# KiCad board GPDI_ULX3S_panel.kicad_pcb (continued)
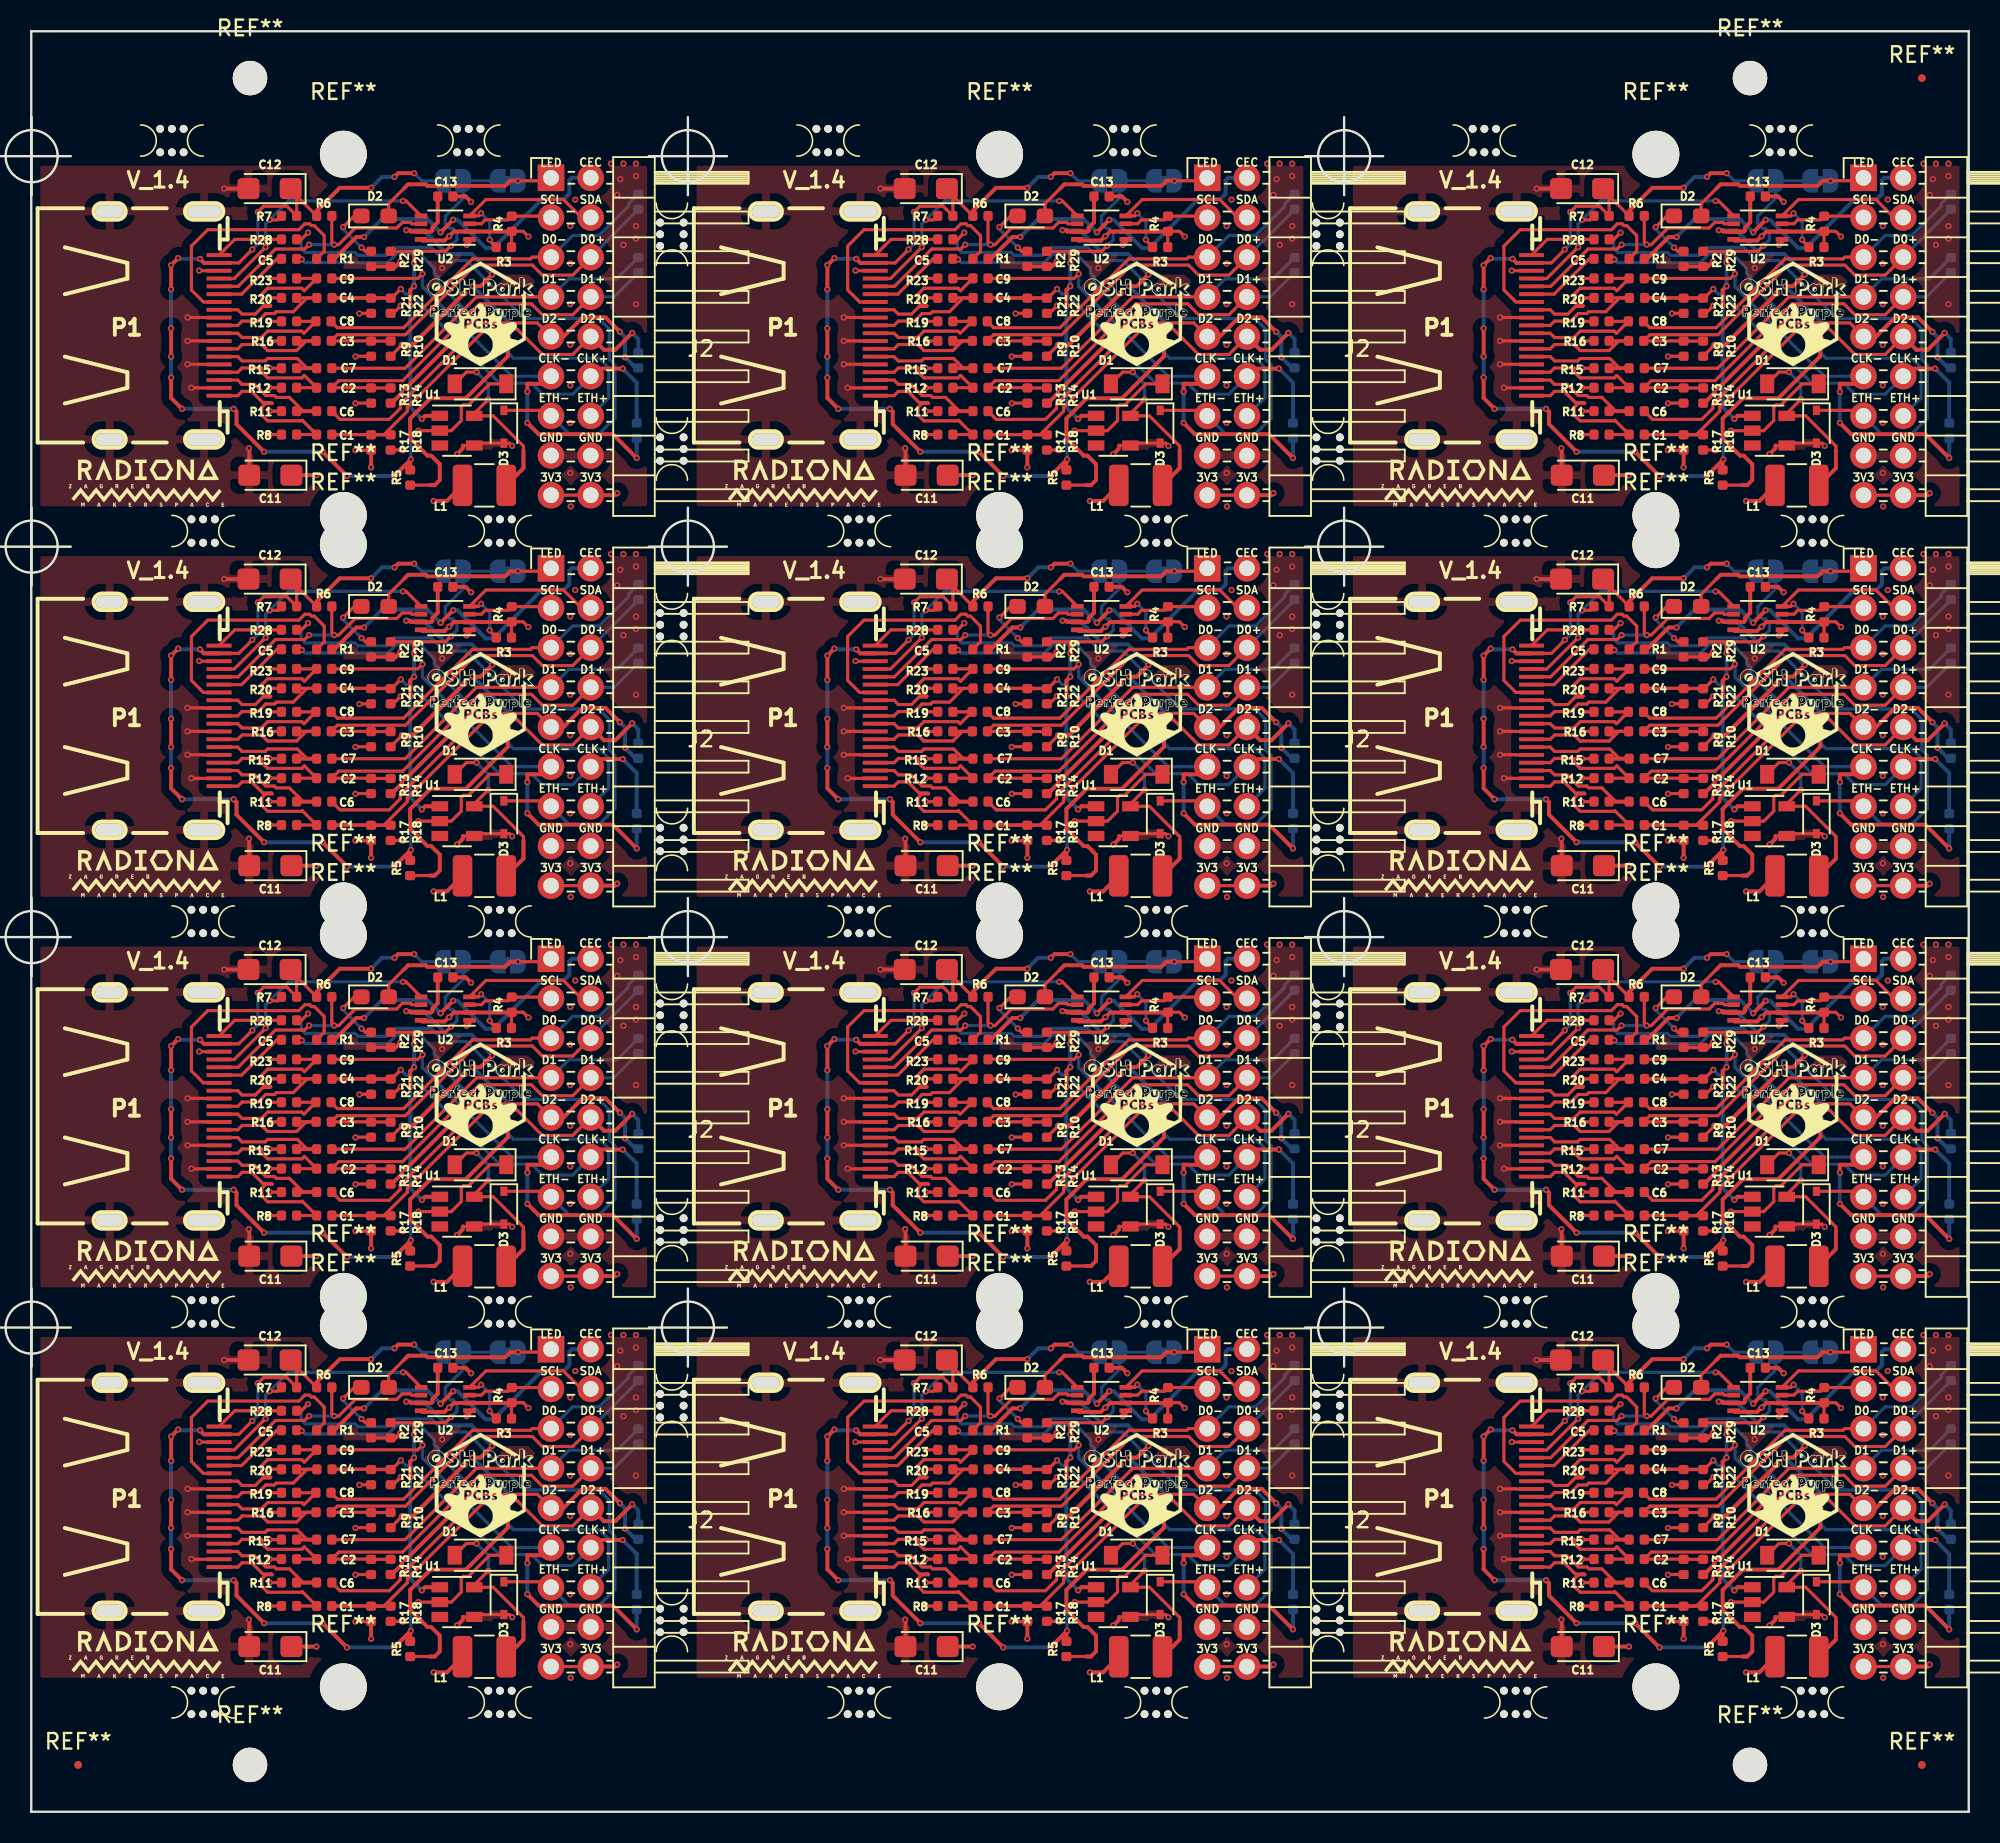
[diagram p0: board, top side]
## Routing (per net, layer and track width the routed paths; a pad name or vN(x,y) marks a point on that pad's centre or on a via; arc(x,y) is an arc through that point) (continued)
GND: length 2096.5
  Top w0.2: P1#2.2 52.26,91.17 v1(52.25,91.18) ; P1#3.2 94.26,91.17 v1(94.25,91.18) ; P1#4.2 10.26,66.17 v1(10.25,66.18) ; P1#5.2 52.26,66.17 v1(52.25,66.18) ; P1#6.2 94.26,66.17 v1(94.25,66.18) ; P1#7.2 10.26,41.17 v1(10.25,41.17) ; P1#8.2 52.26,41.17 v1(52.25,41.17) ; P1#9.2 94.26,41.17 v1(94.25,41.17) ; 12.02,16.17 10.26,16.17 v1(10.25,16.18) ; 54.02,16.17 52.26,16.17 v1(52.25,16.18) ; 96.02,16.17 94.26,16.17 v1(94.25,16.18) ; R2#2.2 R29#2.2 ; R2#3.2 R29#3.2 ; R2#4.2 R29#4.2 ; R2#5.2 R29#5.2 ; R2#6.2 R29#6.2 ; R2#7.2 R29#7.2 ; R2#8.2 R29#8.2 ; R2#9.2 R29#9.2 ; R2#10.2 R29#10.2 ; R2#11.2 R29#11.2 ; R2#12.2 R29#12.2 ; v1(52,95.68) 53.01,95.68 53.02,95.67 P1#2.11 ; v1(94,95.68) 95.01,95.68 95.02,95.67 P1#3.11 ; v1(10,70.68) 11.01,70.68 11.02,70.67 P1#4.11 ; v1(52,70.68) 53.01,70.68 53.02,70.67 P1#5.11 ; v1(94,70.68) 95.01,70.68 95.02,70.67 P1#6.11 ; v1(10,45.67) 11.01,45.67 11.02,45.67 P1#7.11 ; v1(52,45.67) 53.01,45.67 53.02,45.67 P1#8.11 ; v1(94,45.67) 95.01,45.67 95.02,45.67 P1#9.11 ; v1(10,20.68) 11.01,20.68 11.02,20.67 12.02,20.67 ; v1(52,20.68) 53.01,20.68 53.02,20.67 54.02,20.67 ; v1(94,20.68) 95.01,20.68 95.02,20.67 96.02,20.67 ; R18#2.2 65.78,87.19 v1(65.79,87.18) ; R18#3.2 107.78,87.19 v1(107.79,87.18) ; R18#4.2 23.78,62.19 v1(23.79,62.18) ; R18#5.2 65.78,62.19 v1(65.79,62.18) ; R18#6.2 107.78,62.19 v1(107.79,62.18) ; R18#7.2 23.78,37.19 v1(23.79,37.17) ; R18#8.2 65.78,37.19 v1(65.79,37.17) ; R18#9.2 107.78,37.19 v1(107.79,37.17) ; R18#10.2 23.78,12.19 v1(23.79,12.18) ; R18#11.2 65.78,12.19 v1(65.79,12.18) ; R18#12.2 107.78,12.19 v1(107.79,12.18) ; P1#2.17 52.76,98.67 v1(52.75,98.68) ; P1#3.17 94.76,98.67 v1(94.75,98.68) ; P1#4.17 10.76,73.67 v1(10.75,73.68) ; P1#5.17 52.76,73.67 v1(52.75,73.68) ; P1#6.17 94.76,73.67 v1(94.75,73.68) ; P1#7.17 10.76,48.67 v1(10.75,48.67) ; P1#8.17 52.76,48.67 v1(52.75,48.67) ; P1#9.17 94.76,48.67 v1(94.75,48.67) ; 12.02,23.67 10.76,23.67 v1(10.75,23.68) ; 54.02,23.67 52.76,23.67 v1(52.75,23.68) ; 96.02,23.67 94.76,23.67 v1(94.75,23.68) ; v1(52,94.18) 53.01,94.18 53.02,94.17 P1#2.8 ; v1(94,94.18) 95.01,94.18 95.02,94.17 P1#3.8 ; v1(10,69.18) 11.01,69.18 11.02,69.17 P1#4.8 ; v1(52,69.18) 53.01,69.18 53.02,69.17 P1#5.8 ; v1(94,69.18) 95.01,69.18 95.02,69.17 P1#6.8 ; v1(10,44.17) 11.01,44.17 11.02,44.17 P1#7.8 ; v1(52,44.17) 53.01,44.17 53.02,44.17 P1#8.8 ; v1(94,44.17) 95.01,44.17 95.02,44.17 P1#9.8 ; v1(10,19.18) 11.01,19.18 11.02,19.17 12.02,19.17 ; v1(52,19.18) 53.01,19.18 53.02,19.17 54.02,19.17 ; v1(94,19.18) 95.01,19.18 95.02,19.17 96.02,19.17 ; R14#2.2 65.02,90.19 ; R14#3.2 107.02,90.19 ; R14#4.2 23.02,65.19 ; R14#5.2 65.02,65.19 ; R14#6.2 107.02,65.19 ; R14#7.2 23.02,40.19 ; R14#8.2 65.02,40.19 ; R14#9.2 107.02,40.19 ; R14#10.2 23.02,15.19 ; R14#11.2 65.02,15.19 ; R14#12.2 107.02,15.19 ; v1(65.65,96.43) 65.16,95.94 R22#2.2 ; v1(107.65,96.43) 107.16,95.94 R22#3.2 ; v1(23.65,71.43) 23.16,70.94 R22#4.2 ; v1(65.65,71.43) 65.16,70.94 R22#5.2 ; v1(107.65,71.43) 107.16,70.94 R22#6.2 ; v1(23.65,46.42) 23.16,45.94 R22#7.2 ; v1(65.65,46.42) 65.16,45.94 R22#8.2 ; v1(107.65,46.42) 107.16,45.94 R22#9.2 ; v1(23.65,21.43) 23.16,20.94 R22#10.2 ; v1(65.65,21.43) 65.16,20.94 R22#11.2 ; v1(107.65,21.43) 107.16,20.94 R22#12.2 ; R10#2.2 65.72,93.91 v1(65.72,93.93) ; R10#3.2 107.72,93.91 v1(107.72,93.93) ; R10#4.2 23.72,68.91 v1(23.72,68.93) ; R10#5.2 65.72,68.91 v1(65.72,68.93) ; R10#6.2 107.72,68.91 v1(107.72,68.93) ; R10#7.2 23.72,43.91 v1(23.72,43.92) ; R10#8.2 65.72,43.91 v1(65.72,43.92) ; R10#9.2 107.72,43.91 v1(107.72,43.92) ; 23,18.19 23.72,18.91 v1(23.72,18.93) ; 65,18.19 65.72,18.91 v1(65.72,18.93) ; 107,18.19 107.72,18.91 v1(107.72,18.93) ; v1(52,92.68) 53.01,92.68 53.02,92.67 P1#2.5 ; v1(94,92.68) 95.01,92.68 95.02,92.67 P1#3.5 ; v1(10,67.68) 11.01,67.68 11.02,67.67 P1#4.5 ; v1(52,67.68) 53.01,67.68 53.02,67.67 P1#5.5 ; v1(94,67.68) 95.01,67.68 95.02,67.67 P1#6.5 ; v1(10,42.67) 11.01,42.67 11.02,42.67 P1#7.5 ; v1(52,42.67) 53.01,42.67 53.02,42.67 P1#8.5 ; v1(94,42.67) 95.01,42.67 95.02,42.67 P1#9.5 ; v1(10,17.68) 11.01,17.68 11.02,17.67 12.02,17.67 ; v1(52,17.68) 53.01,17.68 53.02,17.67 54.02,17.67 ; v1(94,17.68) 95.01,17.68 95.02,17.67 96.02,17.67 ; 68.31,98.94 68.31,98.85 v1(68.3,98.84) ; 110.31,98.94 110.31,98.85 v1(110.3,98.84) ; 26.31,73.94 26.31,73.85 v1(26.3,73.84) ; 68.31,73.94 68.31,73.85 v1(68.3,73.84) ; 110.31,73.94 110.31,73.85 v1(110.3,73.84) ; 26.31,48.94 26.31,48.85 v1(26.3,48.84) ; 68.31,48.94 68.31,48.85 v1(68.3,48.84) ; 110.31,48.94 110.31,48.85 v1(110.3,48.84) ; 26.31,23.94 26.31,23.85 v1(26.3,23.84) ; 68.31,23.94 68.31,23.85 v1(68.3,23.84) ; 110.31,23.94 110.31,23.85 v1(110.3,23.84) ; v1(72.78,87.45) 72.61,87.62 D3#2.2 70.5,87.62 U1#2.4 69.62,87.47 ; v1(114.78,87.45) 114.61,87.62 D3#3.2 112.5,87.62 U1#3.4 111.62,87.47 ; v1(30.78,62.45) 30.61,62.62 D3#4.2 28.5,62.62 U1#4.4 27.62,62.48 ; v1(72.78,62.45) 72.61,62.62 D3#5.2 70.5,62.62 U1#5.4 69.62,62.48 ; v1(114.78,62.45) 114.61,62.62 D3#6.2 112.5,62.62 U1#6.4 111.62,62.48 ; v1(30.78,37.45) 30.61,37.62 D3#7.2 28.5,37.62 U1#7.4 27.62,37.48 ; v1(72.78,37.45) 72.61,37.62 D3#8.2 70.5,37.62 U1#8.4 69.62,37.48 ; v1(114.78,37.45) 114.61,37.62 D3#9.2 112.5,37.62 U1#9.4 111.62,37.48 ; v1(30.78,12.45) 30.61,12.63 D3#10.2 28.5,12.63 U1#10.4 27.62,12.48 ; v1(72.78,12.45) 72.61,12.63 D3#11.2 70.5,12.63 U1#11.4 69.62,12.48 ; v1(114.78,12.45) 114.61,12.63 D3#12.2 112.5,12.63 U1#12.4 111.62,12.48 ; v1(23.65,96.43) 23.16,95.94 R22.2 ; R2.2 R29.2 ; 27.62,87.47 U1.4 28.5,87.62 D3.2 30.61,87.62 v1(30.78,87.45) ; v1(10,94.18) 11.01,94.18 11.02,94.17 P1.8 ; v1(10.25,91.18) 10.26,91.17 P1.2 ; P1.5 11.02,92.67 11.01,92.68 v1(10,92.68) ; P1.11 11.02,95.67 11.01,95.68 v1(10,95.68) ; v1(23.72,93.93) 23.72,93.91 R10.2 ; v1(26.3,98.84) 26.31,98.85 26.31,98.94 ; P1.17 10.76,98.67 v1(10.75,98.68) ; v1(23.79,87.18) 23.78,87.19 R18.2 ; R14.2 23.02,90.19
  Top w0.25: v1(70.98,95.97) 70.8,95.97 65.95,91.13 v1(65.72,91.13) 65.72,90.84 65.07,90.19 R14#2.2 ; v1(112.98,95.97) 112.8,95.97 107.95,91.13 v1(107.72,91.13) 107.72,90.84 107.07,90.19 R14#3.2 ; v1(28.98,70.97) 28.8,70.97 23.95,66.13 v1(23.72,66.13) 23.72,65.84 23.07,65.19 R14#4.2 ; v1(70.98,70.97) 70.8,70.97 65.95,66.13 v1(65.72,66.13) 65.72,65.84 65.07,65.19 R14#5.2 ; v1(112.98,70.97) 112.8,70.97 107.95,66.13 v1(107.72,66.13) 107.72,65.84 107.07,65.19 R14#6.2 ; v1(28.98,45.98) 28.8,45.98 23.95,41.13 v1(23.72,41.13) 23.72,40.84 23.07,40.19 R14#7.2 ; v1(70.98,45.98) 70.8,45.98 65.95,41.13 v1(65.72,41.13) 65.72,40.84 65.07,40.19 R14#8.2 ; v1(112.98,45.98) 112.8,45.98 107.95,41.13 v1(107.72,41.13) 107.72,40.84 107.07,40.19 R14#9.2 ; v1(28.98,20.98) 28.8,20.98 23.95,16.13 v1(23.72,16.13) 23.72,15.84 23.07,15.19 R14#10.2 ; v1(70.98,20.98) 70.8,20.98 65.95,16.13 v1(65.72,16.13) 65.72,15.84 65.07,15.19 R14#11.2 ; v1(112.98,20.98) 112.8,20.98 107.95,16.13 v1(107.72,16.13) 107.72,15.84 107.07,15.19 R14#12.2 ; R29#2.2 65.32,98.94 v1(65.64,99.26) ; R29#3.2 107.32,98.94 v1(107.64,99.26) ; R29#4.2 23.32,73.94 v1(23.64,74.26) ; R29#5.2 65.32,73.94 v1(65.64,74.26) ; R29#6.2 107.32,73.94 v1(107.64,74.26) ; R29#7.2 23.32,48.94 v1(23.64,49.26) ; R29#8.2 65.32,48.94 v1(65.64,49.26) ; R29#9.2 107.32,48.94 v1(107.64,49.26) ; R29#10.2 23.32,23.94 v1(23.64,24.26) ; R29#11.2 65.32,23.94 v1(65.64,24.26) ; R29#12.2 107.32,23.94 v1(107.64,24.26) ; v1(65.72,93.93) 66.42,93.93 v1(69.73,97.22) ; v1(107.72,93.93) 108.42,93.93 v1(111.73,97.22) ; v1(23.72,68.93) 24.42,68.93 v1(27.73,72.22) ; v1(65.72,68.93) 66.42,68.93 v1(69.73,72.22) ; v1(107.72,68.93) 108.42,68.93 v1(111.73,72.22) ; v1(23.72,43.92) 24.42,43.92 v1(27.73,47.23) ; v1(65.72,43.92) 66.42,43.92 v1(69.73,47.23) ; v1(107.72,43.92) 108.42,43.92 v1(111.73,47.23) ; v1(23.72,18.93) 24.42,18.93 v1(27.73,22.23) ; v1(65.72,18.93) 66.42,18.93 v1(69.73,22.23) ; v1(107.72,18.93) 108.42,18.93 v1(111.73,22.23) ; C12#2.2 v1(54.35,103.93) ; C12#3.2 v1(96.35,103.93) ; C12#4.2 v1(12.35,78.93) ; C12#5.2 v1(54.35,78.93) ; C12#6.2 v1(96.35,78.93) ; C12#7.2 v1(12.35,53.93) ; C12#8.2 v1(54.35,53.93) ; C12#9.2 v1(96.35,53.93) ; C12#10.2 v1(12.35,28.93) ; C12#11.2 v1(54.35,28.93) ; C12#12.2 v1(96.35,28.93) ; 69.62,87.47 69.62,87.29 v1(69.25,86.93) ; 111.62,87.47 111.62,87.29 v1(111.25,86.93) ; 27.62,62.48 27.62,62.3 v1(27.25,61.93) ; 69.62,62.48 69.62,62.3 v1(69.25,61.93) ; 111.62,62.48 111.62,62.3 v1(111.25,61.93) ; 27.62,37.48 27.62,37.3 v1(27.25,36.92) ; 69.62,37.48 69.62,37.3 v1(69.25,36.92) ; 111.62,37.48 111.62,37.3 v1(111.25,36.92) ; 27.62,12.48 27.62,12.3 v1(27.25,11.93) ; 69.62,12.48 69.62,12.3 v1(69.25,11.93) ; 111.62,12.48 111.62,12.3 v1(111.25,11.93) ; C13#2.2 69.8,103.43 v1(70.15,103.07) ; C13#3.2 111.8,103.43 v1(112.15,103.07) ; C13#4.2 27.8,78.43 v1(28.15,78.08) ; C13#5.2 69.8,78.43 v1(70.15,78.08) ; C13#6.2 111.8,78.43 v1(112.15,78.08) ; C13#7.2 27.8,53.43 v1(28.15,53.08) ; C13#8.2 69.8,53.43 v1(70.15,53.08) ; C13#9.2 111.8,53.43 v1(112.15,53.08) ; C13#10.2 27.8,28.43 v1(28.15,28.08) ; C13#11.2 69.8,28.43 v1(70.15,28.08) ; C13#12.2 111.8,28.43 v1(112.15,28.08) ; C11#2.2 55.95,87.28 v1(55.93,87.3) ; C11#3.2 97.95,87.28 v1(97.93,87.3) ; C11#4.2 13.95,62.28 v1(13.93,62.3) ; C11#5.2 55.95,62.28 v1(55.93,62.3) ; C11#6.2 97.95,62.28 v1(97.93,62.3) ; C11#7.2 13.95,37.28 v1(13.93,37.3) ; C11#8.2 55.95,37.28 v1(55.93,37.3) ; C11#9.2 97.95,37.28 v1(97.93,37.3) ; C11#10.2 13.95,12.28 v1(13.93,12.3) ; C11#11.2 55.95,12.28 v1(55.93,12.3) ; C11#12.2 97.95,12.28 v1(97.93,12.3) ; v1(69.86,100.32) 70.05,100.52 U2#2.1 70.1,100.68 ; v1(111.86,100.32) 112.05,100.52 U2#3.1 112.1,100.68 ; v1(27.86,75.32) 28.05,75.52 U2#4.1 28.1,75.68 ; v1(69.86,75.32) 70.05,75.52 U2#5.1 70.1,75.68 ; v1(111.86,75.32) 112.05,75.52 U2#6.1 112.1,75.68 ; v1(27.86,50.32) 28.05,50.52 U2#7.1 28.1,50.67 ; v1(69.86,50.32) 70.05,50.52 U2#8.1 70.1,50.67 ; v1(111.86,50.32) 112.05,50.52 U2#9.1 112.1,50.67 ; v1(27.86,25.32) 28.05,25.52 U2#10.1 28.1,25.68 ; v1(69.86,25.32) 70.05,25.52 U2#11.1 70.1,25.68 ; v1(111.86,25.32) 112.05,25.52 U2#12.1 112.1,25.68 ; v1(27.86,100.32) 28.05,100.52 U2.1 28.1,100.68 ; R14.2 23.07,90.19 23.72,90.84 v1(23.72,91.13) 23.95,91.13 28.8,95.97 v1(28.98,95.97) ; C11.2 13.95,87.28 v1(13.93,87.3) ; C12.2 v1(12.35,103.93) ; C13.2 27.8,103.43 v1(28.15,103.07) ; v1(23.64,99.26) 23.32,98.94 R29.2 ; v1(27.25,86.93) 27.62,87.29 27.62,87.47 ; v1(27.73,97.22) 24.42,93.93 v1(23.72,93.93)
  GND.Cu w0.2: 54,103.93 53.07,102.99 P1#2.0 ; 96,103.93 95.07,102.99 P1#3.0 ; 12,78.93 11.07,77.99 P1#4.0 ; 54,78.93 53.07,77.99 P1#5.0 ; 96,78.93 95.07,77.99 P1#6.0 ; 12,53.93 11.07,52.99 P1#7.0 ; 54,53.93 53.07,52.99 P1#8.0 ; 96,53.93 95.07,52.99 P1#9.0 ; 12,28.93 11.07,27.99 P1#10.0 ; 54,28.93 53.07,27.99 P1#11.0 ; 96,28.93 95.07,27.99 P1#12.0 ; v1(68.3,98.84) 68.3,98.56 66.67,96.93 65.87,96.93 65.65,96.71 v1(65.65,96.43) 65.72,96.35 v1(65.72,93.93) 65.79,93.86 v1(65.79,87.18) 64.11,87.18 63.36,86.43 59.5,86.43 ; v1(110.3,98.84) 110.3,98.56 108.67,96.93 107.87,96.93 107.65,96.71 v1(107.65,96.43) 107.72,96.35 v1(107.72,93.93) 107.79,93.86 v1(107.79,87.18) 106.11,87.18 105.36,86.43 101.5,86.43 ; v1(26.3,73.84) 26.3,73.56 24.67,71.93 23.87,71.93 23.65,71.71 v1(23.65,71.43) 23.72,71.35 v1(23.72,68.93) 23.79,68.86 v1(23.79,62.18) 22.11,62.18 21.36,61.43 17.5,61.43 ; v1(68.3,73.84) 68.3,73.56 66.67,71.93 65.87,71.93 65.65,71.71 v1(65.65,71.43) 65.72,71.35 v1(65.72,68.93) 65.79,68.86 v1(65.79,62.18) 64.11,62.18 63.36,61.43 59.5,61.43 ; v1(110.3,73.84) 110.3,73.56 108.67,71.93 107.87,71.93 107.65,71.71 v1(107.65,71.43) 107.72,71.35 v1(107.72,68.93) 107.79,68.86 v1(107.79,62.18) 106.11,62.18 105.36,61.43 101.5,61.43 ; v1(26.3,48.84) 26.3,48.56 24.67,46.93 23.87,46.93 23.65,46.71 v1(23.65,46.42) 23.72,46.35 v1(23.72,43.92) 23.79,43.86 v1(23.79,37.17) 22.11,37.17 21.36,36.42 17.5,36.42 ; v1(68.3,48.84) 68.3,48.56 66.67,46.93 65.87,46.93 65.65,46.71 v1(65.65,46.42) 65.72,46.35 v1(65.72,43.92) 65.79,43.86 v1(65.79,37.17) 64.11,37.17 63.36,36.42 59.5,36.42 ; v1(110.3,48.84) 110.3,48.56 108.67,46.93 107.87,46.93 107.65,46.71 v1(107.65,46.42) 107.72,46.35 v1(107.72,43.92) 107.79,43.86 v1(107.79,37.17) 106.11,37.17 105.36,36.42 101.5,36.42 ; v1(26.3,23.84) 26.3,23.56 24.67,21.93 23.87,21.93 23.65,21.71 v1(23.65,21.43) 23.72,21.35 v1(23.72,18.93) 23.79,18.86 v1(23.79,12.18) 22.11,12.18 21.36,11.43 17.5,11.43 ; v1(68.3,23.84) 68.3,23.56 66.67,21.93 65.87,21.93 65.65,21.71 v1(65.65,21.43) 65.72,21.35 v1(65.72,18.93) 65.79,18.86 v1(65.79,12.18) 64.11,12.18 63.36,11.43 59.5,11.43 ; v1(110.3,23.84) 110.3,23.56 108.67,21.93 107.87,21.93 107.65,21.71 v1(107.65,21.43) 107.72,21.35 v1(107.72,18.93) 107.79,18.86 v1(107.79,12.18) 106.11,12.18 105.36,11.43 101.5,11.43 ; P1#2.0 52,101.4 52,98.68 ; P1#2.0 P1#2.0 P1#2.0 ; P1#3.0 94,101.4 94,98.68 ; P1#3.0 P1#3.0 P1#3.0 ; P1#4.0 10,76.4 10,73.68 ; P1#4.0 P1#4.0 P1#4.0 ; P1#5.0 52,76.4 52,73.68 ; P1#5.0 P1#5.0 P1#5.0 ; P1#6.0 94,76.4 94,73.68 ; P1#6.0 P1#6.0 P1#6.0 ; P1#7.0 10,51.4 10,48.67 ; P1#7.0 P1#7.0 P1#7.0 ; P1#8.0 52,51.4 52,48.67 ; P1#8.0 P1#8.0 P1#8.0 ; P1#9.0 94,51.4 94,48.67 ; P1#9.0 P1#9.0 P1#9.0 ; P1#10.0 10,26.4 10,23.68 ; P1#10.0 P1#10.0 P1#10.0 ; P1#11.0 52,26.4 52,23.68 ; P1#11.0 P1#11.0 P1#11.0 ; P1#12.0 94,26.4 94,23.68 ; P1#12.0 P1#12.0 P1#12.0 ; J2#2.16 J2#2.15 73.4,86.84 v1(72.78,87.45) ; J2#3.16 J2#3.15 115.4,86.84 v1(114.78,87.45) ; J2#4.16 J2#4.15 31.4,61.84 v1(30.78,62.45) ; J2#5.16 J2#5.15 73.4,61.84 v1(72.78,62.45) ; J2#6.16 J2#6.15 115.4,61.84 v1(114.78,62.45) ; J2#7.16 J2#7.15 31.4,36.84 v1(30.78,37.45) ; J2#8.16 J2#8.15 73.4,36.84 v1(72.78,37.45) ; J2#9.16 J2#9.15 115.4,36.84 v1(114.78,37.45) ; J2#10.16 J2#10.15 31.4,11.84 v1(30.78,12.45) ; J2#11.16 J2#11.15 73.4,11.84 v1(72.78,12.45) ; J2#12.16 J2#12.15 115.4,11.84 v1(114.78,12.45) ; P1#2.0 P1#2.0 ; P1#2.0 53.26,87.68 56,87.68 ; P1#2.0 52.25,88.68 v1(52.25,91.18) ; P1#2.0 50.33,91.18 v1(52.25,91.18) ; P1#3.0 P1#3.0 ; P1#3.0 95.26,87.68 98,87.68 ; P1#3.0 94.25,88.68 v1(94.25,91.18) ; P1#3.0 92.33,91.18 v1(94.25,91.18) ; P1#4.0 P1#4.0 ; P1#4.0 11.26,62.68 14,62.68 ; P1#4.0 10.25,63.68 v1(10.25,66.18) ; P1#4.0 8.33,66.18 v1(10.25,66.18) ; P1#5.0 P1#5.0 ; P1#5.0 53.26,62.68 56,62.68 ; P1#5.0 52.25,63.68 v1(52.25,66.18) ; P1#5.0 50.33,66.18 v1(52.25,66.18) ; P1#6.0 P1#6.0 ; P1#6.0 95.26,62.68 98,62.68 ; P1#6.0 94.25,63.68 v1(94.25,66.18) ; P1#6.0 92.33,66.18 v1(94.25,66.18) ; P1#7.0 P1#7.0 ; P1#7.0 11.26,37.67 14,37.67 ; P1#7.0 10.25,38.68 v1(10.25,41.17) ; P1#7.0 8.33,41.17 v1(10.25,41.17) ; P1#8.0 P1#8.0 ; P1#8.0 53.26,37.67 56,37.67 ; P1#8.0 52.25,38.68 v1(52.25,41.17) ; P1#8.0 50.33,41.17 v1(52.25,41.17) ; P1#9.0 P1#9.0 ; P1#9.0 95.26,37.67 98,37.67 ; P1#9.0 94.25,38.68 v1(94.25,41.17) ; P1#9.0 92.33,41.17 v1(94.25,41.17) ; P1#10.0 P1#10.0 ; P1#10.0 11.26,12.68 14,12.68 ; P1#10.0 10.25,13.68 v1(10.25,16.18) ; P1#10.0 8.33,16.18 v1(10.25,16.18) ; P1#11.0 P1#11.0 ; P1#11.0 53.26,12.68 56,12.68 ; P1#11.0 52.25,13.68 v1(52.25,16.18) ; P1#11.0 50.33,16.18 v1(52.25,16.18) ; P1#12.0 P1#12.0 ; P1#12.0 95.26,12.68 98,12.68 ; P1#12.0 94.25,13.68 v1(94.25,16.18) ; P1#12.0 92.33,16.18 v1(94.25,16.18) ; v1(52.25,91.18) 52,91.43 v1(52,92.68) v1(52,94.18) v1(52,95.68) 52,98.68 ; v1(94.25,91.18) 94,91.43 v1(94,92.68) v1(94,94.18) v1(94,95.68) 94,98.68 ; v1(10.25,66.18) 10,66.43 v1(10,67.68) v1(10,69.18) v1(10,70.68) 10,73.68 ; v1(52.25,66.18) 52,66.43 v1(52,67.68) v1(52,69.18) v1(52,70.68) 52,73.68 ; v1(94.25,66.18) 94,66.43 v1(94,67.68) v1(94,69.18) v1(94,70.68) 94,73.68 ; v1(10.25,41.17) 10,41.42 v1(10,42.67) v1(10,44.17) v1(10,45.67) 10,48.67 ; v1(52.25,41.17) 52,41.42 v1(52,42.67) v1(52,44.17) v1(52,45.67) 52,48.67 ; v1(94.25,41.17) 94,41.42 v1(94,42.67) v1(94,44.17) v1(94,45.67) 94,48.67 ; v1(10.25,16.18) 10,16.43 v1(10,17.68) v1(10,19.18) v1(10,20.68) 10,23.68 ; v1(52.25,16.18) 52,16.43 v1(52,17.68) v1(52,19.18) v1(52,20.68) 52,23.68 ; v1(94.25,16.18) 94,16.43 v1(94,17.68) v1(94,19.18) v1(94,20.68) 94,23.68 ; v1(65.72,91.13) 65.95,91.13 66,91.18 ; v1(107.72,91.13) 107.95,91.13 108,91.18 ; v1(23.72,66.13) 23.95,66.13 24,66.18 ; v1(65.72,66.13) 65.95,66.13 66,66.18 ; v1(107.72,66.13) 107.95,66.13 108,66.18 ; v1(23.72,41.13) 23.95,41.13 24,41.17 ; v1(65.72,41.13) 65.95,41.13 66,41.17 ; v1(107.72,41.13) 107.95,41.13 108,41.17 ; v1(23.72,16.13) 23.95,16.13 24,16.18 ; v1(65.72,16.13) 65.95,16.13 66,16.18 ; v1(107.72,16.13) 107.95,16.13 108,16.18 ; v1(52.75,98.68) 52,98.68 ; v1(94.75,98.68) 94,98.68 ; v1(10.75,73.68) 10,73.68 ; v1(52.75,73.68) 52,73.68 ; v1(94.75,73.68) 94,73.68 ; v1(10.75,48.67) 10,48.67 ; v1(52.75,48.67) 52,48.67 ; v1(94.75,48.67) 94,48.67 ; v1(10.75,23.68) 10,23.68 ; v1(52.75,23.68) 52,23.68 ; v1(94.75,23.68) 94,23.68 ; P1.0 11.07,102.99 12,103.93 ; P1.0 P1.0 P1.0 ; P1.0 10,101.4 10,98.68 ; J2.16 J2.15 31.4,86.84 v1(30.78,87.45) ; 10,98.68 v1(10.75,98.68) ; 10,98.68 v1(10,95.68) v1(10,94.18) v1(10,92.68) 10,91.43 v1(10.25,91.18) ; v1(26.3,98.84) 26.3,98.56 24.67,96.93 23.87,96.93 23.65,96.71 v1(23.65,96.43) 23.72,96.35 v1(23.72,93.93) 23.79,93.86 v1(23.79,87.18) 22.11,87.18 21.36,86.43 17.5,86.43 ; P1.0 P1.0 ; P1.0 10.25,88.68 v1(10.25,91.18) ; P1.0 11.26,87.68 14,87.68 ; P1.0 8.33,91.18 v1(10.25,91.18) ; 24,91.18 23.95,91.13 v1(23.72,91.13)
  GND.Cu w0.25: v1(79.7,104.53) 78.43,103.25 77.24,103.25 76.5,102.51 v1(76.5,101.53) ; v1(79.7,104.53) v1(80.7,105.53) ; v1(79.7,104.53) 79.5,104.32 v1(79.5,103.53) 80.7,102.32 v1(80.7,100.72) ; v1(121.7,104.53) 120.43,103.25 119.24,103.25 118.5,102.51 v1(118.5,101.53) ; v1(121.7,104.53) v1(122.7,105.53) ; v1(121.7,104.53) 121.5,104.32 v1(121.5,103.53) 122.7,102.32 v1(122.7,100.72) ; v1(37.7,79.53) 36.43,78.25 35.24,78.25 34.5,77.51 v1(34.5,76.53) ; v1(37.7,79.53) v1(38.7,80.53) ; v1(37.7,79.53) 37.5,79.33 v1(37.5,78.53) 38.7,77.33 v1(38.7,75.72) ; v1(79.7,79.53) 78.43,78.25 77.24,78.25 76.5,77.51 v1(76.5,76.53) ; v1(79.7,79.53) v1(80.7,80.53) ; v1(79.7,79.53) 79.5,79.33 v1(79.5,78.53) 80.7,77.33 v1(80.7,75.72) ; v1(121.7,79.53) 120.43,78.25 119.24,78.25 118.5,77.51 v1(118.5,76.53) ; v1(121.7,79.53) v1(122.7,80.53) ; v1(121.7,79.53) 121.5,79.33 v1(121.5,78.53) 122.7,77.33 v1(122.7,75.72) ; v1(37.7,54.52) 36.43,53.25 35.24,53.25 34.5,52.51 v1(34.5,51.52) ; v1(37.7,54.52) v1(38.7,55.52) ; v1(37.7,54.52) 37.5,54.33 v1(37.5,53.52) 38.7,52.33 v1(38.7,50.73) ; v1(79.7,54.52) 78.43,53.25 77.24,53.25 76.5,52.51 v1(76.5,51.52) ; v1(79.7,54.52) v1(80.7,55.52) ; v1(79.7,54.52) 79.5,54.33 v1(79.5,53.52) 80.7,52.33 v1(80.7,50.73) ; v1(121.7,54.52) 120.43,53.25 119.24,53.25 118.5,52.51 v1(118.5,51.52) ; v1(121.7,54.52) v1(122.7,55.52) ; v1(121.7,54.52) 121.5,54.33 v1(121.5,53.52) 122.7,52.33 v1(122.7,50.73) ; v1(37.7,29.53) 36.43,28.25 35.24,28.25 34.5,27.51 v1(34.5,26.53) ; v1(37.7,29.53) v1(38.7,30.53) ; v1(37.7,29.53) 37.5,29.33 v1(37.5,28.53) 38.7,27.33 v1(38.7,25.73) ; v1(79.7,29.53) 78.43,28.25 77.24,28.25 76.5,27.51 v1(76.5,26.53) ; v1(79.7,29.53) v1(80.7,30.53) ; v1(79.7,29.53) 79.5,29.33 v1(79.5,28.53) 80.7,27.33 v1(80.7,25.73) ; v1(121.7,29.53) 120.43,28.25 119.24,28.25 118.5,27.51 v1(118.5,26.53) ; v1(121.7,29.53) v1(122.7,30.53) ; v1(121.7,29.53) 121.5,29.33 v1(121.5,28.53) 122.7,27.33 v1(122.7,25.73) ; v1(76.5,101.53) 76.5,102.9 v1(76.82,103.22) 76.62,103.42 ; v1(76.5,101.53) 77.13,100.9 79.33,100.9 v1(79.9,100.32) 80.3,100.32 v1(80.7,100.72) ; v1(76.5,101.53) v1(76.5,99.12) v1(76.5,96.53) v1(76.5,93.93) v1(76.5,91.32) v1(76.5,88.93) 76.5,87.12 ; v1(118.5,101.53) 118.5,102.9 v1(118.82,103.22) 118.62,103.42 ; v1(118.5,101.53) 119.13,100.9 121.33,100.9 v1(121.9,100.32) 122.3,100.32 v1(122.7,100.72) ; v1(118.5,101.53) v1(118.5,99.12) v1(118.5,96.53) v1(118.5,93.93) v1(118.5,91.32) v1(118.5,88.93) 118.5,87.12 ; v1(34.5,76.53) 34.5,77.9 v1(34.82,78.22) 34.62,78.42 ; v1(34.5,76.53) 35.13,75.9 37.33,75.9 v1(37.9,75.33) 38.3,75.33 v1(38.7,75.72) ; v1(34.5,76.53) v1(34.5,74.12) v1(34.5,71.53) v1(34.5,68.93) v1(34.5,66.33) v1(34.5,63.93) 34.5,62.12 ; v1(76.5,76.53) 76.5,77.9 v1(76.82,78.22) 76.62,78.42 ; v1(76.5,76.53) 77.13,75.9 79.33,75.9 v1(79.9,75.33) 80.3,75.33 v1(80.7,75.72) ; v1(76.5,76.53) v1(76.5,74.12) v1(76.5,71.53) v1(76.5,68.93) v1(76.5,66.33) v1(76.5,63.93) 76.5,62.12 ; v1(118.5,76.53) 118.5,77.9 v1(118.82,78.22) 118.62,78.42 ; v1(118.5,76.53) 119.13,75.9 121.33,75.9 v1(121.9,75.33) 122.3,75.33 v1(122.7,75.72) ; v1(118.5,76.53) v1(118.5,74.12) v1(118.5,71.53) v1(118.5,68.93) v1(118.5,66.33) v1(118.5,63.93) 118.5,62.12 ; v1(34.5,51.52) 34.5,52.9 v1(34.82,53.22) 34.62,53.42 ; v1(34.5,51.52) 35.13,50.9 37.33,50.9 v1(37.9,50.33) 38.3,50.33 v1(38.7,50.73) ; v1(34.5,51.52) v1(34.5,49.12) v1(34.5,46.53) v1(34.5,43.92) v1(34.5,41.33) v1(34.5,38.92) 34.5,37.12 ; v1(76.5,51.52) 76.5,52.9 v1(76.82,53.22) 76.62,53.42 ; v1(76.5,51.52) 77.13,50.9 79.33,50.9 v1(79.9,50.33) 80.3,50.33 v1(80.7,50.73) ; v1(76.5,51.52) v1(76.5,49.12) v1(76.5,46.53) v1(76.5,43.92) v1(76.5,41.33) v1(76.5,38.92) 76.5,37.12 ; v1(118.5,51.52) 118.5,52.9 v1(118.82,53.22) 118.62,53.42 ; v1(118.5,51.52) 119.13,50.9 121.33,50.9 v1(121.9,50.33) 122.3,50.33 v1(122.7,50.73) ; v1(118.5,51.52) v1(118.5,49.12) v1(118.5,46.53) v1(118.5,43.92) v1(118.5,41.33) v1(118.5,38.92) 118.5,37.12 ; v1(34.5,26.53) 34.5,27.9 v1(34.82,28.22) 34.62,28.42 ; v1(34.5,26.53) 35.13,25.9 37.33,25.9 v1(37.9,25.33) 38.3,25.33 v1(38.7,25.73) ; v1(34.5,26.53) v1(34.5,24.12) v1(34.5,21.53) v1(34.5,18.93) v1(34.5,16.33) v1(34.5,13.93) 34.5,12.13 ; v1(76.5,26.53) 76.5,27.9 v1(76.82,28.22) 76.62,28.42 ; v1(76.5,26.53) 77.13,25.9 79.33,25.9 v1(79.9,25.33) 80.3,25.33 v1(80.7,25.73) ; v1(76.5,26.53) v1(76.5,24.12) v1(76.5,21.53) v1(76.5,18.93) v1(76.5,16.33) v1(76.5,13.93) 76.5,12.13 ; v1(118.5,26.53) 118.5,27.9 v1(118.82,28.22) 118.62,28.42 ; v1(118.5,26.53) 119.13,25.9 121.33,25.9 v1(121.9,25.33) 122.3,25.33 v1(122.7,25.73) ; v1(118.5,26.53) v1(118.5,24.12) v1(118.5,21.53) v1(118.5,18.93) v1(118.5,16.33) v1(118.5,13.93) 118.5,12.13 ; v1(80.7,105.53) v1(79.1,105.53) ; v1(80.7,105.53) v1(80.7,104.72) ; v1(122.7,105.53) v1(121.1,105.53) ; v1(122.7,105.53) v1(122.7,104.72) ; v1(38.7,80.53) v1(37.1,80.53) ; v1(38.7,80.53) v1(38.7,79.72) ; v1(80.7,80.53) v1(79.1,80.53) ; v1(80.7,80.53) v1(80.7,79.72) ; v1(122.7,80.53) v1(121.1,80.53) ; v1(122.7,80.53) v1(122.7,79.72) ; v1(38.7,55.52) v1(37.1,55.52) ; v1(38.7,55.52) v1(38.7,54.73) ; v1(80.7,55.52) v1(79.1,55.52) ; v1(80.7,55.52) v1(80.7,54.73) ; v1(122.7,55.52) v1(121.1,55.52) ; v1(122.7,55.52) v1(122.7,54.73) ; v1(38.7,30.53) v1(37.1,30.53) ; v1(38.7,30.53) v1(38.7,29.73) ; v1(80.7,30.53) v1(79.1,30.53) ; v1(80.7,30.53) v1(80.7,29.73) ; v1(122.7,30.53) v1(121.1,30.53) ; v1(122.7,30.53) v1(122.7,29.73) ; v1(80.7,100.72) v1(80.7,96.53) 78.98,94.8 78.98,88.01 J2#2.16 ; v1(122.7,100.72) v1(122.7,96.53) 120.98,94.8 120.98,88.01 J2#3.16 ; v1(38.7,75.72) v1(38.7,71.53) 36.98,69.8 36.98,63.01 J2#4.16 ; v1(80.7,75.72) v1(80.7,71.53) 78.98,69.8 78.98,63.01 J2#5.16 ; v1(122.7,75.72) v1(122.7,71.53) 120.98,69.8 120.98,63.01 J2#6.16 ; v1(38.7,50.73) v1(38.7,46.53) 36.98,44.8 36.98,38.01 J2#7.16 ; v1(80.7,50.73) v1(80.7,46.53) 78.98,44.8 78.98,38.01 J2#8.16 ; v1(122.7,50.73) v1(122.7,46.53) 120.98,44.8 120.98,38.01 J2#9.16 ; v1(38.7,25.73) v1(38.7,21.53) 36.98,19.8 36.98,13.01 J2#10.16 ; v1(80.7,25.73) v1(80.7,21.53) 78.98,19.8 78.98,13.01 J2#11.16 ; v1(122.7,25.73) v1(122.7,21.53) 120.98,19.8 120.98,13.01 J2#12.16 ; v1(69.86,100.32) 68.37,98.84 v1(68.3,98.84) 69.73,97.41 v1(69.73,97.22) ; v1(111.86,100.32) 110.37,98.84 v1(110.3,98.84) 111.73,97.41 v1(111.73,97.22) ; v1(27.86,75.32) 26.37,73.84 v1(26.3,73.84) 27.73,72.41 v1(27.73,72.22) ; v1(69.86,75.32) 68.37,73.84 v1(68.3,73.84) 69.73,72.41 v1(69.73,72.22) ; v1(111.86,75.32) 110.37,73.84 v1(110.3,73.84) 111.73,72.41 v1(111.73,72.22) ; v1(27.86,50.32) 26.37,48.84 v1(26.3,48.84) 27.73,47.41 v1(27.73,47.23) ; v1(69.86,50.32) 68.37,48.84 v1(68.3,48.84) 69.73,47.41 v1(69.73,47.23) ; v1(111.86,50.32) 110.37,48.84 v1(110.3,48.84) 111.73,47.41 v1(111.73,47.23) ; v1(27.86,25.32) 26.37,23.84 v1(26.3,23.84) 27.73,22.41 v1(27.73,22.23) ; v1(69.86,25.32) 68.37,23.84 v1(68.3,23.84) 69.73,22.41 v1(69.73,22.23) ; v1(111.86,25.32) 110.37,23.84 v1(110.3,23.84) 111.73,22.41 v1(111.73,22.23) ; v1(76.52,83.57) 76.52,85.7 v1(76.5,85.72) 76.5,87.12 ; v1(118.52,83.57) 118.52,85.7 v1(118.5,85.72) 118.5,87.12 ; v1(34.52,58.58) 34.52,60.7 v1(34.5,60.73) 34.5,62.12 ; v1(76.52,58.58) 76.52,60.7 v1(76.5,60.73) 76.5,62.12 ; v1(118.52,58.58) 118.52,60.7 v1(118.5,60.73) 118.5,62.12 ; v1(34.52,33.58) 34.52,35.7 v1(34.5,35.73) 34.5,37.12 ; v1(76.52,33.58) 76.52,35.7 v1(76.5,35.73) 76.5,37.12 ; v1(118.52,33.58) 118.52,35.7 v1(118.5,35.73) 118.5,37.12 ; v1(34.52,8.58) 34.52,10.7 v1(34.5,10.73) 34.5,12.13 ; v1(76.52,8.58) 76.52,10.7 v1(76.5,10.73) 76.5,12.13 ; v1(118.52,8.58) 118.52,10.7 v1(118.5,10.73) 118.5,12.13 ; 76.5,87.12 76.5,86.93 76.41,86.84 ; 118.5,87.12 118.5,86.93 118.41,86.84 ; 34.5,62.12 34.5,61.93 34.41,61.84 ; 76.5,62.12 76.5,61.93 76.41,61.84 ; 118.5,62.12 118.5,61.93 118.41,61.84 ; 34.5,37.12 34.5,36.92 34.41,36.84 ; 76.5,37.12 76.5,36.92 76.41,36.84 ; 118.5,37.12 118.5,36.92 118.41,36.84 ; 34.5,12.13 34.5,11.93 34.41,11.84 ; 76.5,12.13 76.5,11.93 76.41,11.84 ; 118.5,12.13 118.5,11.93 118.41,11.84 ; v1(34.5,101.53) v1(34.5,99.12) v1(34.5,96.53) v1(34.5,93.93) v1(34.5,91.32) v1(34.5,88.93) 34.5,87.12 ; v1(34.5,101.53) 34.5,102.51 35.24,103.25 36.43,103.25 v1(37.7,104.53) ; v1(34.5,101.53) 35.13,100.9 37.33,100.9 v1(37.9,100.32) 38.3,100.32 v1(38.7,100.72) ; v1(34.5,101.53) 34.5,102.9 v1(34.82,103.22) 34.62,103.42 ; 34.5,87.12 v1(34.5,85.72) 34.52,85.7 v1(34.52,83.57) ; 34.5,87.12 34.5,86.93 34.41,86.84 ; v1(27.73,97.22) 27.73,97.41 v1(26.3,98.84) 26.37,98.84 v1(27.86,100.32) ; v1(38.7,105.53) v1(38.7,104.72) ; v1(38.7,105.53) v1(37.7,104.53) ; v1(38.7,105.53) v1(37.1,105.53) ; v1(38.7,100.72) v1(38.7,96.53) 36.98,94.8 36.98,88.01 J2.16 ; v1(38.7,100.72) 38.7,102.32 v1(37.5,103.53) 37.5,104.32 v1(37.7,104.53)
  vias: v1(30.55,98.1) v1(30.55,73.1) v1(30.55,48.1) v1(30.55,23.1) v1(37.9,105.53) v1(37.9,80.53) v1(37.9,55.52) v1(37.9,30.53) v1(38.7,101.53) v1(38.7,76.53) v1(38.7,51.52) v1(38.7,26.53) v1(72.55,98.1) v1(72.55,73.1) v1(72.55,48.1) v1(72.55,23.1) v1(79.9,105.53) v1(79.9,80.53) v1(79.9,55.52) v1(79.9,30.53) v1(80.7,101.53) v1(80.7,76.53) v1(80.7,51.52) v1(80.7,26.53) v1(114.55,98.1) v1(114.55,73.1) v1(114.55,48.1) v1(114.55,23.1) v1(121.9,105.53) v1(121.9,80.53) v1(121.9,55.52) v1(121.9,30.53) v1(122.7,101.53) v1(122.7,76.53) v1(122.7,51.52) v1(122.7,26.53)
